# KiCad board PCA20073_Tiny_Board_Panel.kicad_pcb (continued)
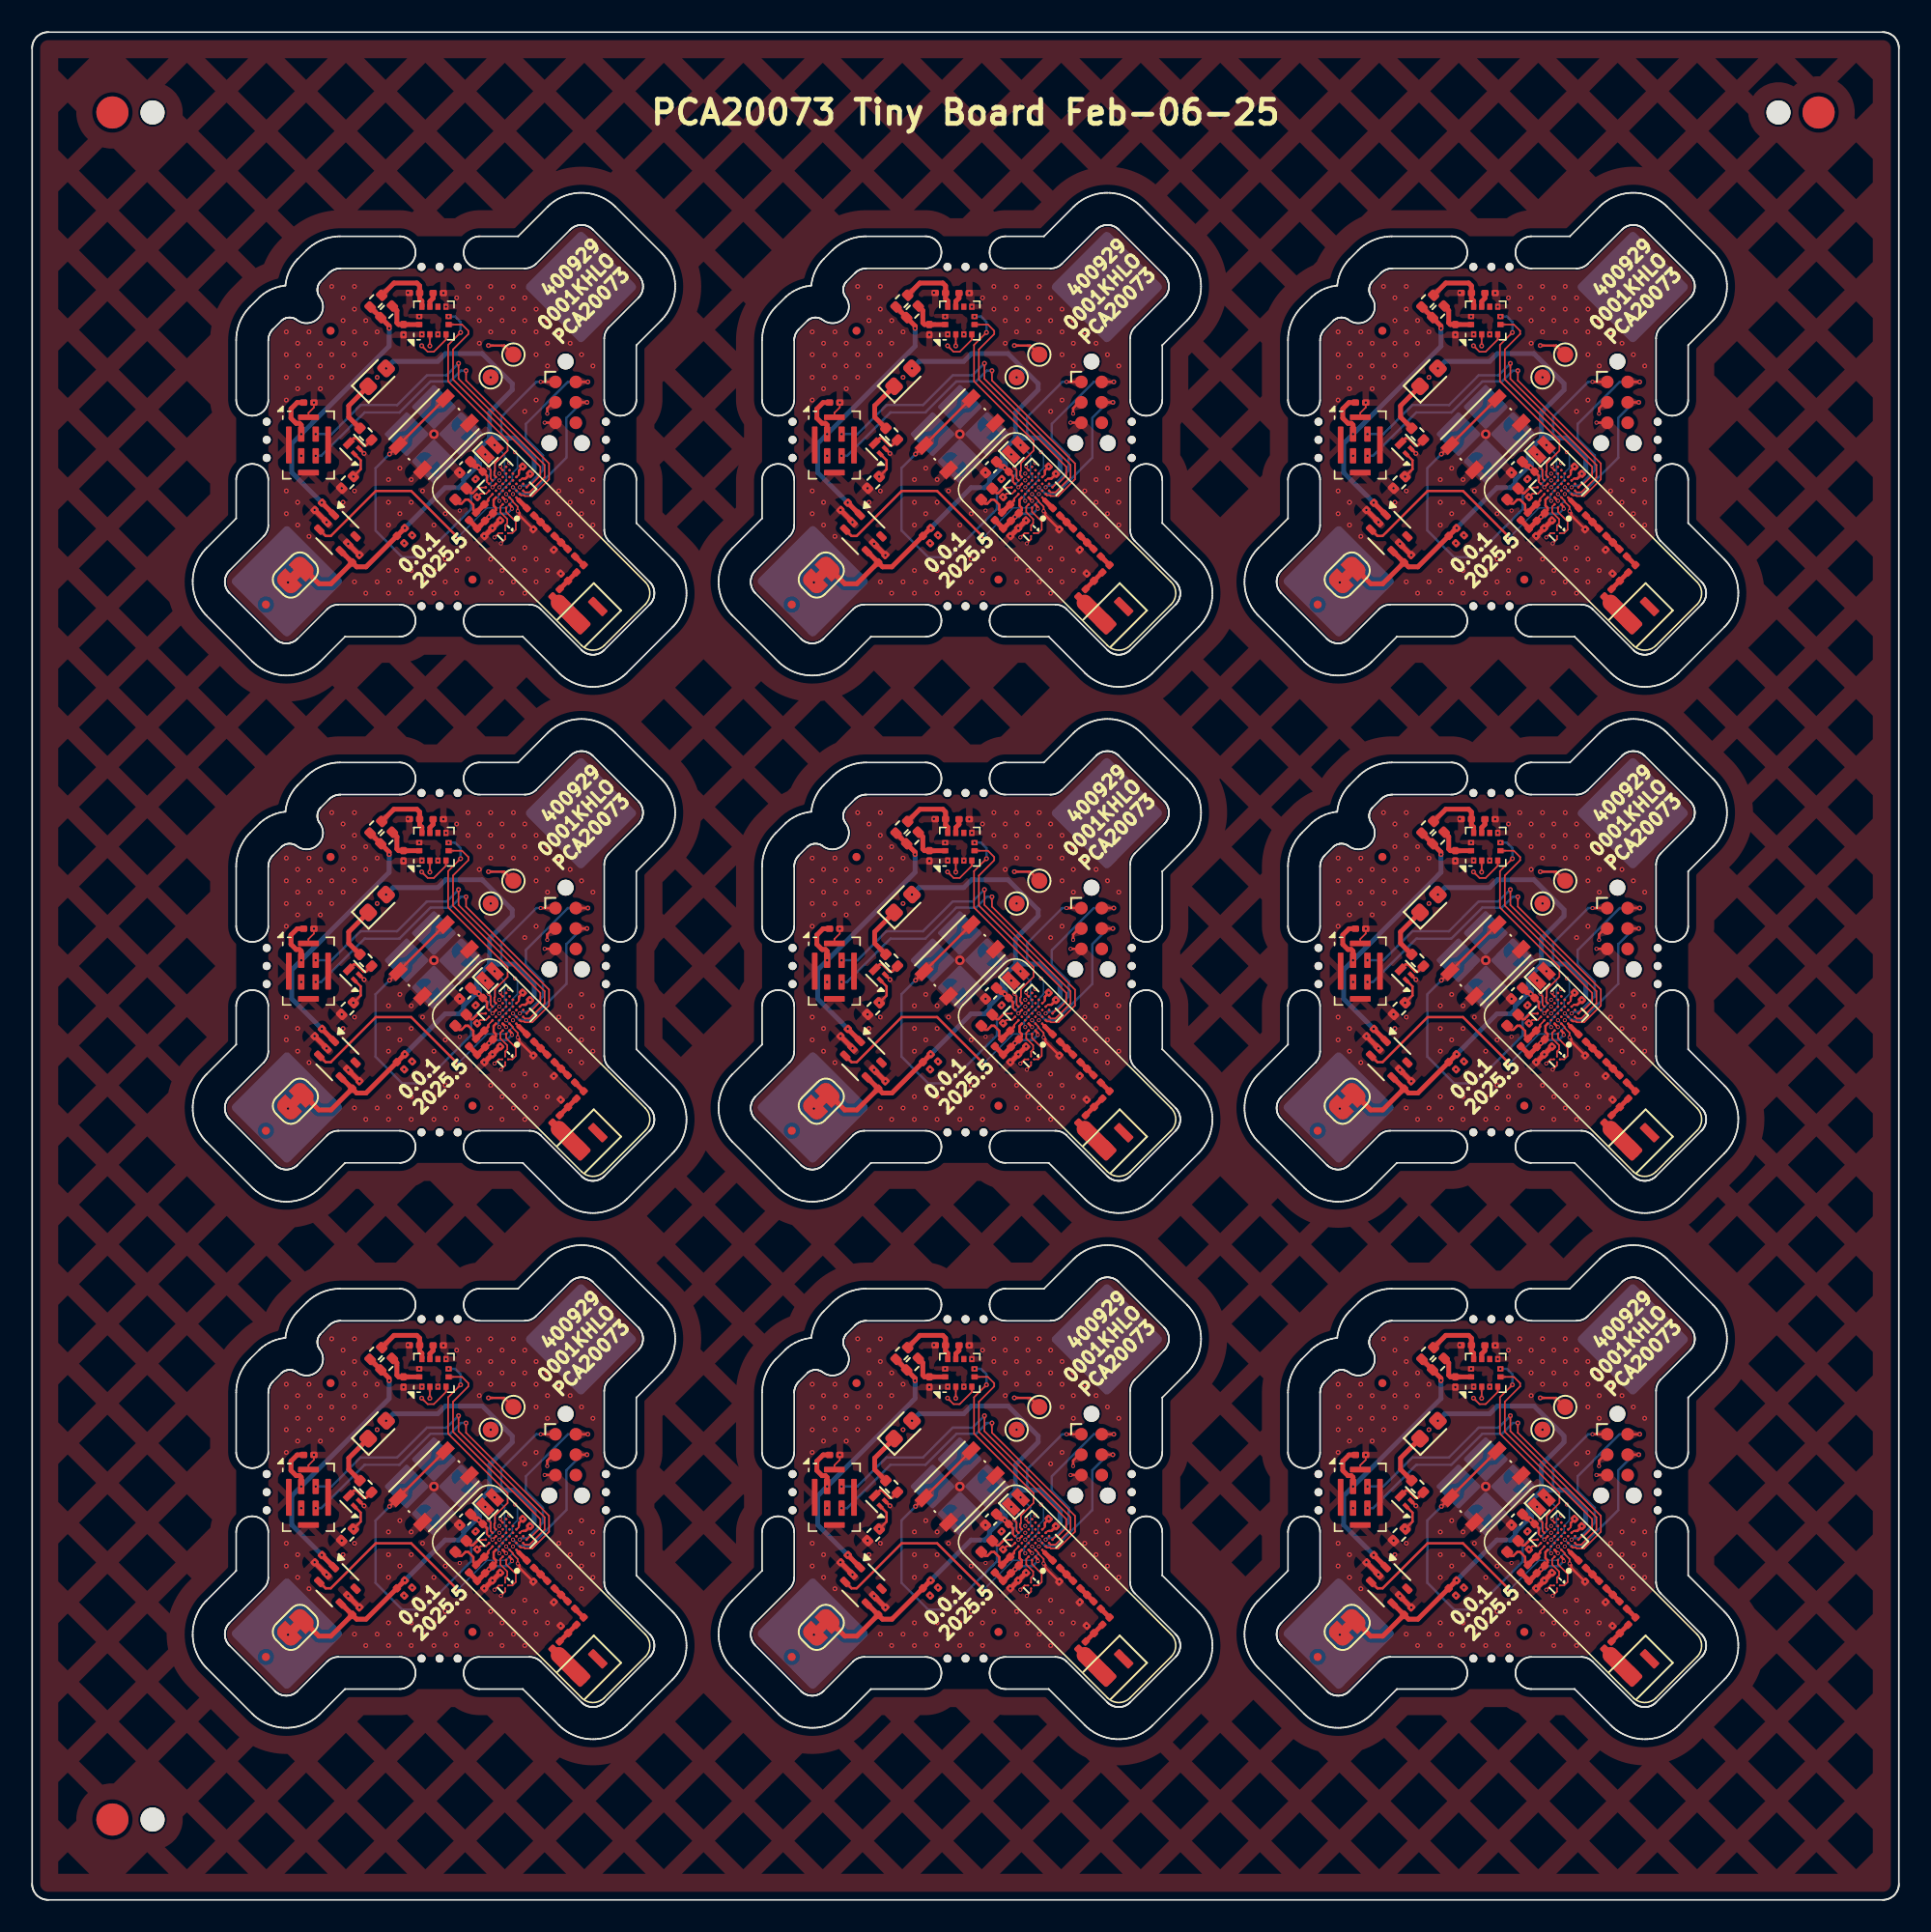
[diagram p0: board, top side]
## Placement (name value [footprint] x y rotation side) (continued)
6D1  LB Q39E  [LED_0603_1608Metric]  21.49 29.26 45 top
6FB1  100R  [C_0201_0603Metric]  27.42 20.61 45 top
6FID1  Fiducial  [Fiducial_0.5mm_Mask1mm]  18.59 32.16 45 top
6FID2  Fiducial  [Fiducial_0.5mm_Mask1mm]  14.56 15.12 45 top
6FID3  Fiducial  [Fiducial_0.5mm_Mask1mm]  27.42 16.68 45 top
6J1  Conn_ARM_SWD_TagConnect_TC2030-NL  [Tag-Connect_TC2030-IDC-NL_2x03_P1.27mm_Vertical]  33.22 27.71 270 top  (not fitted)
6JP1  Jumper_2_Small_Bridged  [SolderJumper-2_P1.3mm_Bridged_RoundedPad1.0x1.5mm]  16.39 16.96 45 top  (not fitted)
6JP2  Jumper_2_Small_Bridged  [R_0402_1005Metric]  22.07 33.34 225 top
6JP3  Jumper_2_Small_Bridged  [R_0402_1005Metric]  21.41 34.01 225 top
6L1  4.7uH  [L_0402_1005Metric]  26.7 22 45 top
6L2  3.6nH  [L_0201_0603Metric]  31.03 20.89 315 top
6L3  4.7nH  [L_0201_0603Metric]  32.3 19.62 315 top
6L4  2nH  [L_0201_0603Metric]  33.58 18.35 315 top
6L6  4.7nH  [L_0201_0603Metric]  34.12 17.35 225 top
6L7  10nH  [L_0201_0603Metric]  32.63 15.86 225 top
6L18  4.7nH  [L_0201_0603Metric]  33.15 16.83 135 top
6MK1  MP34DT05-A  [ST_HCLGA-4_3x4mm_P1.35mm]  17.21 25.05 0 top
6Q1  Q_NMOS_GSD  [Diodes_DFN1006-3]  19.96 24.91 135 top
6R1  1kR  [R_0402_1005Metric]  20.78 25.73 315 top
6R2  10kR  [R_0201_0603Metric]  22.94 19.17 315 top
6R3  10kR  [R_0201_0603Metric]  23.44 19.66 315 top
6R4  1MR  [R_0402_1005Metric]  19.64 22.72 225 top
6SW1  SW_Push  [SW_Push_1P1T_NO_Vertical_Wuerth_434133025816]  25.02 25.73 45 top
6TP1  TestPoint  [TestPoint_Pad_D1.0mm]  28.56 29.26 45 top  (not fitted)
6TP2  TestPoint  [TestPoint_Pad_D1.0mm]  29.97 30.68 45 top  (not fitted)
6U1  nRF54L15-CAXX  [BGA-47_7x7_2.451x2.245mm]  29.58 22.38 135 top
6U2  SiP32432DR3  [SOT-363_SC-70-6]  19.01 19.58 315 top
6U3  ADXL366  [Analog_LGA-12_2.20x2.30mm_P0.5mm]  25.02 32.8 90 top
6Y1  32.768kHz  [Crystal_SMD_1210-2Pin_1.2x1.0mm]  28.51 24.76 45 top
6Y2  SiT11100  [Oscillator_SMD_SiTime_SiT11100-4Pin_0.46x0.46mm]  29.46 19.57 135 top
7AE1  Antenna_Chip  [Ignion_NN02-101]  67.37 14.4 225 top
7BT1  CR2032  [BatteryHolder_Multicomp_BC-2001_1x2032]  57.77 25.73 225 bottom
7C1  2.2uF  [C_0201_0603Metric]  60.69 21.58 135 top
7C2  2.2uF  [C_0201_0603Metric]  60.68 19.61 315 top
7C3  100nF  [C_0201_0603Metric]  52.91 17.97 45 top
7C4  100nF  [C_0201_0603Metric]  50.56 21.24 225 top
7C5  3.9pF  [C_0201_0603Metric]  61.68 20.59 315 top
7C6  1.2pF  [C_0201_0603Metric]  64.19 20.03 225 top
7C8  100nF  [C_0201_0603Metric]  63.53 23.49 135 top
7C9  1.2pF  [C_0201_0603Metric]  65.46 18.76 225 top
7C10  10uF  [C_0402_1005Metric]  59.71 23.67 225 top
7C11  100nF  [C_0201_0603Metric]  60.59 23.16 225 top
7C12  10nF  [C_0201_0603Metric]  61.17 20.1 315 top
7C15  0.22uF  [C_0201_0603Metric]  58.04 34.51 0 top
7C16  100nF  [C_0201_0603Metric]  55.87 32.23 270 top
7C17  100nF  [C_0201_0603Metric]  56.56 34.52 180 top
7C20  2.2uF  [C_0201_0603Metric]  49.98 27.69 0 top
7D1  LB Q39E  [LED_0603_1608Metric]  54.23 29.26 45 top
7FB1  100R  [C_0201_0603Metric]  60.17 20.61 45 top
7FID1  Fiducial  [Fiducial_0.5mm_Mask1mm]  51.33 32.16 45 top
7FID2  Fiducial  [Fiducial_0.5mm_Mask1mm]  47.3 15.12 45 top
7FID3  Fiducial  [Fiducial_0.5mm_Mask1mm]  60.17 16.68 45 top
7J1  Conn_ARM_SWD_TagConnect_TC2030-NL  [Tag-Connect_TC2030-IDC-NL_2x03_P1.27mm_Vertical]  65.97 27.71 270 top  (not fitted)
7JP1  Jumper_2_Small_Bridged  [SolderJumper-2_P1.3mm_Bridged_RoundedPad1.0x1.5mm]  49.14 16.96 45 top  (not fitted)
7JP2  Jumper_2_Small_Bridged  [R_0402_1005Metric]  54.82 33.34 225 top
7JP3  Jumper_2_Small_Bridged  [R_0402_1005Metric]  54.16 34.01 225 top
7L1  4.7uH  [L_0402_1005Metric]  59.45 22 45 top
7L2  3.6nH  [L_0201_0603Metric]  63.78 20.89 315 top
7L3  4.7nH  [L_0201_0603Metric]  65.05 19.62 315 top
7L4  2nH  [L_0201_0603Metric]  66.33 18.35 315 top
7L6  4.7nH  [L_0201_0603Metric]  66.87 17.35 225 top
7L7  10nH  [L_0201_0603Metric]  65.38 15.86 225 top
7L18  4.7nH  [L_0201_0603Metric]  65.89 16.83 135 top
7MK1  MP34DT05-A  [ST_HCLGA-4_3x4mm_P1.35mm]  49.96 25.05 0 top
7Q1  Q_NMOS_GSD  [Diodes_DFN1006-3]  52.71 24.91 135 top
7R1  1kR  [R_0402_1005Metric]  53.53 25.73 315 top
7R2  10kR  [R_0201_0603Metric]  55.69 19.17 315 top
7R3  10kR  [R_0201_0603Metric]  56.19 19.66 315 top
7R4  1MR  [R_0402_1005Metric]  52.39 22.72 225 top
7SW1  SW_Push  [SW_Push_1P1T_NO_Vertical_Wuerth_434133025816]  57.77 25.73 45 top
7TP1  TestPoint  [TestPoint_Pad_D1.0mm]  61.31 29.26 45 top  (not fitted)
7TP2  TestPoint  [TestPoint_Pad_D1.0mm]  62.72 30.68 45 top  (not fitted)
7U1  nRF54L15-CAXX  [BGA-47_7x7_2.451x2.245mm]  62.33 22.38 135 top
7U2  SiP32432DR3  [SOT-363_SC-70-6]  51.76 19.58 315 top
7U3  ADXL366  [Analog_LGA-12_2.20x2.30mm_P0.5mm]  57.77 32.8 90 top
7Y1  32.768kHz  [Crystal_SMD_1210-2Pin_1.2x1.0mm]  61.26 24.76 45 top
7Y2  SiT11100  [Oscillator_SMD_SiTime_SiT11100-4Pin_0.46x0.46mm]  62.21 19.57 135 top
8AE1  Antenna_Chip  [Ignion_NN02-101]  100.12 14.4 225 top
8BT1  CR2032  [BatteryHolder_Multicomp_BC-2001_1x2032]  90.52 25.73 225 bottom
8C1  2.2uF  [C_0201_0603Metric]  93.43 21.58 135 top
8C2  2.2uF  [C_0201_0603Metric]  93.43 19.61 315 top
8C3  100nF  [C_0201_0603Metric]  85.66 17.97 45 top
8C4  100nF  [C_0201_0603Metric]  83.31 21.24 225 top
8C5  3.9pF  [C_0201_0603Metric]  94.42 20.59 315 top
8C6  1.2pF  [C_0201_0603Metric]  96.94 20.03 225 top
8C8  100nF  [C_0201_0603Metric]  96.28 23.49 135 top
8C9  1.2pF  [C_0201_0603Metric]  98.21 18.76 225 top
8C10  10uF  [C_0402_1005Metric]  92.46 23.67 225 top
8C11  100nF  [C_0201_0603Metric]  93.34 23.16 225 top
8C12  10nF  [C_0201_0603Metric]  93.92 20.1 315 top
8C15  0.22uF  [C_0201_0603Metric]  90.79 34.51 0 top
8C16  100nF  [C_0201_0603Metric]  88.62 32.23 270 top
8C17  100nF  [C_0201_0603Metric]  89.31 34.52 180 top
8C20  2.2uF  [C_0201_0603Metric]  82.73 27.69 0 top
8D1  LB Q39E  [LED_0603_1608Metric]  86.98 29.26 45 top
8FB1  100R  [C_0201_0603Metric]  92.92 20.61 45 top
8FID1  Fiducial  [Fiducial_0.5mm_Mask1mm]  84.08 32.16 45 top
8FID2  Fiducial  [Fiducial_0.5mm_Mask1mm]  80.05 15.12 45 top
8FID3  Fiducial  [Fiducial_0.5mm_Mask1mm]  92.92 16.68 45 top
8J1  Conn_ARM_SWD_TagConnect_TC2030-NL  [Tag-Connect_TC2030-IDC-NL_2x03_P1.27mm_Vertical]  98.72 27.71 270 top  (not fitted)
8JP1  Jumper_2_Small_Bridged  [SolderJumper-2_P1.3mm_Bridged_RoundedPad1.0x1.5mm]  81.89 16.96 45 top  (not fitted)
8JP2  Jumper_2_Small_Bridged  [R_0402_1005Metric]  87.57 33.34 225 top
8JP3  Jumper_2_Small_Bridged  [R_0402_1005Metric]  86.9 34.01 225 top
8L1  4.7uH  [L_0402_1005Metric]  92.2 22 45 top
8L2  3.6nH  [L_0201_0603Metric]  96.53 20.89 315 top
8L3  4.7nH  [L_0201_0603Metric]  97.8 19.62 315 top
8L4  2nH  [L_0201_0603Metric]  99.07 18.35 315 top
8L6  4.7nH  [L_0201_0603Metric]  99.62 17.35 225 top
8L7  10nH  [L_0201_0603Metric]  98.13 15.86 225 top
8L18  4.7nH  [L_0201_0603Metric]  98.64 16.83 135 top
8MK1  MP34DT05-A  [ST_HCLGA-4_3x4mm_P1.35mm]  82.71 25.05 0 top
8Q1  Q_NMOS_GSD  [Diodes_DFN1006-3]  85.46 24.91 135 top
8R1  1kR  [R_0402_1005Metric]  86.28 25.73 315 top
8R2  10kR  [R_0201_0603Metric]  88.44 19.17 315 top
8R3  10kR  [R_0201_0603Metric]  88.93 19.66 315 top
8R4  1MR  [R_0402_1005Metric]  85.14 22.72 225 top
8SW1  SW_Push  [SW_Push_1P1T_NO_Vertical_Wuerth_434133025816]  90.52 25.73 45 top
8TP1  TestPoint  [TestPoint_Pad_D1.0mm]  94.05 29.26 45 top  (not fitted)
8TP2  TestPoint  [TestPoint_Pad_D1.0mm]  95.47 30.68 45 top  (not fitted)
8U1  nRF54L15-CAXX  [BGA-47_7x7_2.451x2.245mm]  95.08 22.38 135 top
8U2  SiP32432DR3  [SOT-363_SC-70-6]  84.51 19.58 315 top
8U3  ADXL366  [Analog_LGA-12_2.20x2.30mm_P0.5mm]  90.52 32.8 90 top
8Y1  32.768kHz  [Crystal_SMD_1210-2Pin_1.2x1.0mm]  94.01 24.76 45 top
8Y2  SiT11100  [Oscillator_SMD_SiTime_SiT11100-4Pin_0.46x0.46mm]  94.95 19.57 135 top
KiKit_FID_B_1  -  [Fiducial]  5 111.25 180 bottom
KiKit_FID_B_2  -  [Fiducial]  111.25 111.25 180 bottom
KiKit_FID_B_3  -  [Fiducial]  5 5 180 bottom
KiKit_FID_T_1  -  [Fiducial]  5 111.25 0 top
KiKit_FID_T_2  -  [Fiducial]  111.25 111.25 0 top
KiKit_FID_T_3  -  [Fiducial]  5 5 0 top
KiKit_MB_1_2  -  [NPTH]  14.61 89.75 0 top
KiKit_MB_1_3  -  [NPTH]  14.61 90.87 0 top
KiKit_MB_1_4  -  [NPTH]  14.61 92 0 top
KiKit_MB_2_2  -  [NPTH]  35.73 92 0 top
KiKit_MB_2_3  -  [NPTH]  35.73 90.87 0 top
KiKit_MB_2_4  -  [NPTH]  35.73 89.75 0 top
KiKit_MB_3_2  -  [NPTH]  24.25 101.64 0 top
KiKit_MB_3_3  -  [NPTH]  25.37 101.64 0 top
KiKit_MB_3_4  -  [NPTH]  26.5 101.64 0 top
KiKit_MB_4_2  -  [NPTH]  26.5 80.52 0 top
KiKit_MB_4_3  -  [NPTH]  25.37 80.52 0 top
KiKit_MB_4_4  -  [NPTH]  24.25 80.52 0 top
KiKit_MB_5_2  -  [NPTH]  47.36 89.75 0 top
KiKit_MB_5_3  -  [NPTH]  47.36 90.87 0 top
KiKit_MB_5_4  -  [NPTH]  47.36 92 0 top
KiKit_MB_6_2  -  [NPTH]  68.48 92 0 top
KiKit_MB_6_3  -  [NPTH]  68.48 90.87 0 top
KiKit_MB_6_4  -  [NPTH]  68.48 89.75 0 top
KiKit_MB_7_2  -  [NPTH]  57 101.64 0 top
KiKit_MB_7_3  -  [NPTH]  58.12 101.64 0 top
KiKit_MB_7_4  -  [NPTH]  59.25 101.64 0 top
KiKit_MB_8_2  -  [NPTH]  59.25 80.52 0 top
KiKit_MB_8_3  -  [NPTH]  58.12 80.52 0 top
KiKit_MB_8_4  -  [NPTH]  57 80.52 0 top
KiKit_MB_9_2  -  [NPTH]  80.1 89.75 0 top
KiKit_MB_9_3  -  [NPTH]  80.1 90.87 0 top
KiKit_MB_9_4  -  [NPTH]  80.1 92 0 top
KiKit_MB_10_2  -  [NPTH]  101.22 92 0 top
KiKit_MB_10_3  -  [NPTH]  101.22 90.87 0 top
KiKit_MB_10_4  -  [NPTH]  101.22 89.75 0 top
KiKit_MB_11_2  -  [NPTH]  89.75 101.64 0 top
KiKit_MB_11_3  -  [NPTH]  90.87 101.64 0 top
KiKit_MB_11_4  -  [NPTH]  92 101.64 0 top
KiKit_MB_12_2  -  [NPTH]  92 80.52 0 top
KiKit_MB_12_3  -  [NPTH]  90.87 80.52 0 top
KiKit_MB_12_4  -  [NPTH]  89.75 80.52 0 top
KiKit_MB_13_2  -  [NPTH]  14.61 57 0 top
KiKit_MB_13_3  -  [NPTH]  14.61 58.12 0 top
KiKit_MB_13_4  -  [NPTH]  14.61 59.25 0 top
KiKit_MB_14_2  -  [NPTH]  35.73 59.25 0 top
KiKit_MB_14_3  -  [NPTH]  35.73 58.12 0 top
KiKit_MB_14_4  -  [NPTH]  35.73 57 0 top
KiKit_MB_15_2  -  [NPTH]  24.25 68.89 0 top
KiKit_MB_15_3  -  [NPTH]  25.37 68.89 0 top
KiKit_MB_15_4  -  [NPTH]  26.5 68.89 0 top
KiKit_MB_16_2  -  [NPTH]  26.5 47.77 0 top
KiKit_MB_16_3  -  [NPTH]  25.37 47.77 0 top
KiKit_MB_16_4  -  [NPTH]  24.25 47.77 0 top
KiKit_MB_17_2  -  [NPTH]  47.36 57 0 top
KiKit_MB_17_3  -  [NPTH]  47.36 58.12 0 top
KiKit_MB_17_4  -  [NPTH]  47.36 59.25 0 top
KiKit_MB_18_2  -  [NPTH]  68.48 59.25 0 top
KiKit_MB_18_3  -  [NPTH]  68.48 58.12 0 top
KiKit_MB_18_4  -  [NPTH]  68.48 57 0 top
KiKit_MB_19_2  -  [NPTH]  57 68.89 0 top
KiKit_MB_19_3  -  [NPTH]  58.12 68.89 0 top
KiKit_MB_19_4  -  [NPTH]  59.25 68.89 0 top
KiKit_MB_20_2  -  [NPTH]  59.25 47.77 0 top
KiKit_MB_20_3  -  [NPTH]  58.12 47.77 0 top
KiKit_MB_20_4  -  [NPTH]  57 47.77 0 top
KiKit_MB_21_2  -  [NPTH]  80.1 57 0 top
KiKit_MB_21_3  -  [NPTH]  80.1 58.12 0 top
KiKit_MB_21_4  -  [NPTH]  80.1 59.25 0 top
KiKit_MB_22_2  -  [NPTH]  101.22 59.25 0 top
KiKit_MB_22_3  -  [NPTH]  101.22 58.12 0 top
KiKit_MB_22_4  -  [NPTH]  101.22 57 0 top
KiKit_MB_23_2  -  [NPTH]  89.75 68.89 0 top
KiKit_MB_23_3  -  [NPTH]  90.87 68.89 0 top
KiKit_MB_23_4  -  [NPTH]  92 68.89 0 top
KiKit_MB_24_2  -  [NPTH]  92 47.77 0 top
KiKit_MB_24_3  -  [NPTH]  90.87 47.77 0 top
KiKit_MB_24_4  -  [NPTH]  89.75 47.77 0 top
KiKit_MB_25_2  -  [NPTH]  14.61 24.25 0 top
KiKit_MB_25_3  -  [NPTH]  14.61 25.37 0 top
KiKit_MB_25_4  -  [NPTH]  14.61 26.5 0 top
KiKit_MB_26_2  -  [NPTH]  35.73 26.5 0 top
KiKit_MB_26_3  -  [NPTH]  35.73 25.37 0 top
KiKit_MB_26_4  -  [NPTH]  35.73 24.25 0 top
KiKit_MB_27_2  -  [NPTH]  24.25 36.14 0 top
KiKit_MB_27_3  -  [NPTH]  25.37 36.14 0 top
KiKit_MB_27_4  -  [NPTH]  26.5 36.14 0 top
KiKit_MB_28_2  -  [NPTH]  26.5 15.02 0 top
KiKit_MB_28_3  -  [NPTH]  25.37 15.02 0 top
KiKit_MB_28_4  -  [NPTH]  24.25 15.02 0 top
KiKit_MB_29_2  -  [NPTH]  47.36 24.25 0 top
KiKit_MB_29_3  -  [NPTH]  47.36 25.37 0 top
KiKit_MB_29_4  -  [NPTH]  47.36 26.5 0 top
KiKit_MB_30_2  -  [NPTH]  68.48 26.5 0 top
KiKit_MB_30_3  -  [NPTH]  68.48 25.37 0 top
KiKit_MB_30_4  -  [NPTH]  68.48 24.25 0 top
KiKit_MB_31_2  -  [NPTH]  57 36.14 0 top
KiKit_MB_31_3  -  [NPTH]  58.12 36.14 0 top
KiKit_MB_31_4  -  [NPTH]  59.25 36.14 0 top
KiKit_MB_32_2  -  [NPTH]  59.25 15.02 0 top
KiKit_MB_32_3  -  [NPTH]  58.12 15.02 0 top
KiKit_MB_32_4  -  [NPTH]  57 15.02 0 top
KiKit_MB_33_2  -  [NPTH]  80.1 24.25 0 top
KiKit_MB_33_3  -  [NPTH]  80.1 25.37 0 top
KiKit_MB_33_4  -  [NPTH]  80.1 26.5 0 top
KiKit_MB_34_2  -  [NPTH]  101.22 26.5 0 top
KiKit_MB_34_3  -  [NPTH]  101.22 25.37 0 top
KiKit_MB_34_4  -  [NPTH]  101.22 24.25 0 top
KiKit_MB_35_2  -  [NPTH]  89.75 36.14 0 top
KiKit_MB_35_3  -  [NPTH]  90.87 36.14 0 top
KiKit_MB_35_4  -  [NPTH]  92 36.14 0 top
KiKit_MB_36_2  -  [NPTH]  92 15.02 0 top
KiKit_MB_36_3  -  [NPTH]  90.87 15.02 0 top
KiKit_MB_36_4  -  [NPTH]  89.75 15.02 0 top
KiKit_TO_1  -  [NPTH#2]  7.5 111.25 0 top
KiKit_TO_2  -  [NPTH#2]  108.75 111.25 0 top
KiKit_TO_3  -  [NPTH#2]  7.5 5 0 top

## Library data of the parts
0AE1 1AE1 2AE1 3AE1 4AE1 5AE1 6AE1 7AE1 8AE1 = -: Description: Ceramic chip antenna with pin for PCB trace; Consigned: Y; PartId: 100700079; Ship from Helmut: Y/optional
0BT1 1BT1 2BT1 3BT1 4BT1 5BT1 6BT1 7BT1 8BT1 = -: Description: Single-cell battery; LCSC: C964829; PartId: 100500047
0C1 0C2 0C20 1C1 1C2 1C20 2C1 2C2 2C20 3C1 3C2 3C20 4C1 4C2 4C20 5C1 5C2 5C20 6C1 6C2 6C20 7C1 7C2 7C20 8C1 8C2 8C20 = -: Description: Unpolarized capacitor, small symbol; LCSC: C23630; PartId: 100200660
0C3 0C4 0C8 0C11 0C16 0C17 1C3 1C4 1C8 1C11 1C16 1C17 2C3 2C4 2C8 2C11 2C16 2C17 3C3 3C4 3C8 3C11 3C16 3C17 4C3 4C4 4C8 4C11 4C16 4C17 5C3 5C4 5C8 5C11 5C16 5C17 6C3 6C4 6C8 6C11 6C16 6C17 7C3 7C4 7C8 7C11 7C16 7C17 8C3 8C4 8C8 8C11 8C16 8C17 = -: Description: Unpolarized capacitor, small symbol; LCSC: C76939; PartId: 100200469
0C5 1C5 2C5 3C5 4C5 5C5 6C5 7C5 8C5 = -: Description: Unpolarized capacitor, small symbol; LCSC: C22374845; PartId: 100200424
0C6 0C9 1C6 1C9 2C6 2C9 3C6 3C9 4C6 4C9 5C6 5C9 6C6 6C9 7C6 7C9 8C6 8C9 = -: Description: Unpolarized capacitor, small symbol; LCSC: C85895; PartId: 100200086
0C10 1C10 2C10 3C10 4C10 5C10 6C10 7C10 8C10 = -: Description: Unpolarized capacitor, small symbol; LCSC: C15525; PartId: 100200383
0C12 1C12 2C12 3C12 4C12 5C12 6C12 7C12 8C12 = -: Description: Unpolarized capacitor, small symbol; LCSC: C76941; PartId: 100200491
0C15 1C15 2C15 3C15 4C15 5C15 6C15 7C15 8C15 = -: Description: Unpolarized capacitor, small symbol; LCSC: C701263; PartId: 100200487
0D1 1D1 2D1 3D1 4D1 5D1 6D1 7D1 8D1 = -: Description: Light emitting diode, small symbol; LCSC: C84273; PartId: 101400142
0FB1 1FB1 2FB1 3FB1 4FB1 5FB1 6FB1 7FB1 8FB1 = -: Description: Ferrite bead, small symbol; LCSC: C83991; PartId: 100300419
0FID1-0FID3 1FID1-1FID3 2FID1-2FID3 3FID1-3FID3 4FID1-4FID3 5FID1-5FID3 6FID1-6FID3 7FID1-7FID3 8FID1-8FID3 = -: Description: Fiducial Marker
0J1 1J1 2J1 3J1 4J1 5J1 6J1 7J1 8J1 = -: Datasheet: https://www.tag-connect.com/wp-content/uploads/bsk-pdf-manager/TC2030-CTX_1.pdf; Description: Tag-Connect ARM Cortex SWD JTAG connector, 6 pin, no legs
0JP1 1JP1 2JP1 3JP1 4JP1 5JP1 6JP1 7JP1 8JP1 = -: Description: Jumper, 2-pole, small symbol, bridged
0JP2 0JP3 1JP2 1JP3 2JP2 2JP3 3JP2 3JP3 4JP2 4JP3 5JP2 5JP3 6JP2 6JP3 7JP2 7JP3 8JP2 8JP3 = -: Description: Jumper, 2-pole, small symbol, bridged; LCSC: C17168; PartId: 100100109
0L1 1L1 2L1 3L1 4L1 5L1 6L1 7L1 8L1 = -: Description: Inductor, small symbol; PartId: 100300441
0L2 1L2 2L2 3L2 4L2 5L2 6L2 7L2 8L2 = -: Description: Inductor, small symbol; LCSC: C275212; PartId: 100300223
0L3 0L6 0L18 1L3 1L6 1L18 2L3 2L6 2L18 3L3 3L6 3L18 4L3 4L6 4L18 5L3 5L6 5L18 6L3 6L6 6L18 7L3 7L6 7L18 8L3 8L6 8L18 = -: Description: Inductor, small symbol; LCSC: C86126; PartId: 100300231
0L4 1L4 2L4 3L4 4L4 5L4 6L4 7L4 8L4 = -: Description: Inductor, small symbol; LCSC: C307709; PartId: 100300016
0L7 1L7 2L7 3L7 4L7 5L7 6L7 7L7 8L7 = -: Description: Inductor, small symbol; LCSC: C162594; PartId: 100300242
0MK1 1MK1 2MK1 3MK1 4MK1 5MK1 6MK1 7MK1 8MK1 = -: Datasheet: https://www.mouser.com/datasheet/2/389/mp34dt05_a-1850143.pdf; Description: Digital MEMS Microphone, LGA-5
0Q1 1Q1 2Q1 3Q1 4Q1 5Q1 6Q1 7Q1 8Q1 = -: Description: N-MOSFET transistor, gate/source/drain; LCSC: C7527987; PartId: 101300187
0R1 1R1 2R1 3R1 4R1 5R1 6R1 7R1 8R1 = -: Description: Resistor, small US symbol; LCSC: C106235; PartId: 100100171
0R2 0R3 1R2 1R3 2R2 2R3 3R2 3R3 4R2 4R3 5R2 5R3 6R2 6R3 7R2 7R3 8R2 8R3 = -: Description: Resistor, small US symbol; LCSC: C106225; PartId: 100100065
0R4 1R4 2R4 3R4 4R4 5R4 6R4 7R4 8R4 = -: Description: Resistor, small US symbol; LCSC: C138033; PartId: 100100265
0SW1 1SW1 2SW1 3SW1 4SW1 5SW1 6SW1 7SW1 8SW1 = -: Description: Push button switch, generic, two pins; LCSC: C127488; PartId: 101500104
0TP1 0TP2 1TP1 1TP2 2TP1 2TP2 3TP1 3TP2 4TP1 4TP2 5TP1 5TP2 6TP1 6TP2 7TP1 7TP2 8TP1 8TP2 = -: Description: test point
0U1 1U1 2U1 3U1 4U1 5U1 6U1 7U1 8U1 = -: Description: nRF54L Dual Core Multiprotocol BLE SoC; Consigned: Y; PartId: 102000283
0U2 1U2 2U2 3U2 4U2 5U2 6U2 7U2 8U2 = -: Datasheet: http://www.vishay.com.hk/docs/66597/sip32431.pdf; Description: 10 pA, Ultra Low Leakage and Quiescent Current, Load Switch with Reverse Blocking, Low Enable, SC-70-6; LCSC: C141606
0U3 1U3 2U3 3U3 4U3 5U3 6U3 7U3 8U3 = -: Datasheet: https://www.analog.com/media/en/technical-documentation/data-sheets/ADXL363.pdf; Description: Micropower 3-Axis Accelerometer, 2/4/8g range, SPI, LGA-12; Consigned: Y; Ship from Helmut: Y
0Y1 1Y1 2Y1 3Y1 4Y1 5Y1 6Y1 7Y1 8Y1 = -: Description: Two pin crystal, small symbol; PartId: ECS-.327-9-1210-TR
0Y2 1Y2 2Y2 3Y2 4Y2 5Y2 6Y2 7Y2 8Y2 = -: Description: Four pin crystal, GND on pins 2 and 3, small symbol; Consigned: Y; Ship from Helmut: Y

## Footprints (pads in the part's own frame, mm; a bottom-side part is the same pattern mirrored in y, then rotated)
Analog_LGA-12_2.20x2.30mm_P0.5mm
  rrect 0.39x0.33 smd: 1(-0.86,0.75) 2(-0.86,0.25) 3(-0.86,-0.25) 4(-0.86,-0.75) 7(0.86,-0.75) 8(0.86,-0.25) 9(0.86,0.25) 10(0.86,0.75)
  rrect 0.33x0.39 smd: 5(-0.25,-0.914) 6(0.25,-0.914) 11(0.25,0.914) 12(-0.25,0.914)
BatteryHolder_Multicomp_BC-2001_1x2032
  rrect 5x5 smd: 1(-12.95,0) 1(12.95,0)
  rrect 2x2 smd: 2(-1.2,-1.2) 2(-1.2,1.2) 2(1.2,-1.2) 2(1.2,1.2)
BGA-47_7x7_2.451x2.245mm
  round 0.17 smd: A1(-0.828,0.913) A2(-0.528,0.913) A3(-0.228,0.913) A4(0.072,0.913) A5(0.372,0.913) A6(0.672,0.913) A7(0.972,0.913) B1(-0.828,0.613) B3(-0.228,0.613) B4(0.072,0.613) B5(0.372,0.613) B6(0.672,0.613) B7(0.972,0.613) C2(-0.528,0.313) C3(-0.228,0.313) C4(0.072,0.313) C5(0.372,0.313) C6(0.672,0.313) C7(0.972,0.313) D1(-0.828,0.013) D2(-0.528,0.013) D3(-0.228,0.013) D4(0.072,0.013) D5(0.372,0.013) D6(0.672,0.013) D7(0.972,0.013) E1(-0.828,-0.287) E2(-0.528,-0.287) E3(-0.228,-0.287) E4(0.072,-0.287) E5(0.372,-0.287) E6(0.672,-0.287) E7(0.972,-0.287) F1(-0.828,-0.587) F2(-0.528,-0.587) F3(-0.228,-0.587) F4(0.072,-0.587) F5(0.372,-0.587) F6(0.672,-0.587) F7(0.972,-0.587) G1(-0.828,-0.887) G2(-0.528,-0.887) G3(-0.228,-0.887) G4(0.072,-0.887) G5(0.372,-0.887) G6(0.672,-0.887) G7(0.972,-0.887)
C_0201_0603Metric
  rrect 0.318x0.36 smd: (-0.345,0) (0.345,0)
  rrect 0.46x0.4 smd: 1(-0.32,0) 2(0.32,0)
C_0402_1005Metric
  rrect 0.56x0.62 smd: 1(-0.48,0) 2(0.48,0)
Crystal_SMD_1210-2Pin_1.2x1.0mm
  rect 0.575x1.114 smd: 1(-0.413,0) 2(0.413,0)
Diodes_DFN1006-3
  rect 0.4x0.25 smd: 1(-0.35,0.225) 2(-0.35,-0.225)
  rect 0.4x0.7 smd: 3(0.35,0)
Fiducial
  round 2 smd: (0,0)
Fiducial_0.5mm_Mask1mm
  round 0.5 smd: (0,0)
Ignion_NN02-101
  rrect 0.5x1.3 smd: 1(-0.85,0)
  rrect 1x1 smd: 2(0.7,0)
L_0201_0603Metric
  rrect 0.318x0.36 smd: (-0.345,0) (0.345,0)
  rrect 0.46x0.4 smd: 1(-0.32,0) 2(0.32,0)
L_0402_1005Metric
  rrect 0.59x0.64 smd: 1(-0.485,0) 2(0.485,0)
LED_0603_1608Metric
  rrect 0.875x0.95 smd: 1(-0.788,0) 2(0.788,0)
NPTH
  round 0.5 hole 0.5 unplated: (0,0)
NPTH#2
  round 1.5 hole 1.5 unplated: (0,0)
Oscillator_SMD_SiTime_SiT11100-4Pin_0.46x0.46mm
  round 0.12 smd: 1(-0.125,-0.125) 2(-0.125,0.125) 3(0.125,0.125) 4(0.125,-0.125)
R_0201_0603Metric
  rrect 0.318x0.36 smd: (-0.345,0) (0.345,0)
  rrect 0.46x0.4 smd: 1(-0.32,0) 2(0.32,0)
R_0402_1005Metric
  rrect 0.54x0.64 smd: 1(-0.51,0) 2(0.51,0)
SolderJumper-2_P1.3mm_Bridged_RoundedPad1.0x1.5mm
  custom 1x1.5 smd: 1(-0.65,0) 2(0.65,0)
SOT-363_SC-70-6
  rrect 0.65x0.4 smd: 1(-0.95,0.65) 2(-0.95,0) 3(-0.95,-0.65) 4(0.95,-0.65) 5(0.95,0) 6(0.95,0.65)
ST_HCLGA-4_3x4mm_P1.35mm
  rrect 0.4x0.95 smd: 1(-0.45,0.675) 2(-0.45,-0.675) 3(0.45,-0.675) 4(0.45,0.675)
  rrect 0.35x2.3 smd: 5(-1.225,0) 5(1.225,0)
  rrect 1.3x0.35 smd: 5(0,1.725) 5(0,-1.725)
SW_Push_1P1T_NO_Vertical_Wuerth_434133025816
  rect 1.05x0.65 smd: 1(-2.075,1.075) 1(2.075,1.075) 2(-2.075,-1.075) 2(2.05,-1.075)
Tag-Connect_TC2030-IDC-NL_2x03_P1.27mm_Vertical
  round 0.991 hole 0.991 unplated: (-2.54,0) (2.54,1.016) (2.54,-1.016)
  round 0.787 smd: 1(-1.27,-0.635) 2(-1.27,0.635) 3(0,-0.635) 4(0,0.635) 5(1.27,-0.635) 6(1.27,0.635)
TestPoint_Pad_D1.0mm
  round 1 smd: 1(0,0)

## Nets
Board_0-/VDD_LS: 0C4.1 0C20.1 0JP2.2 0JP3.2 0MK1.1 0U2.1
Board_1-/VDD_LS: 1C4.1 1C20.1 1JP2.2 1JP3.2 1MK1.1 1U2.1
Board_2-/VDD_LS: 2C4.1 2C20.1 2JP2.2 2JP3.2 2MK1.1 2U2.1
Board_3-/VDD_LS: 3C4.1 3C20.1 3JP2.2 3JP3.2 3MK1.1 3U2.1
Board_4-/VDD_LS: 4C4.1 4C20.1 4JP2.2 4JP3.2 4MK1.1 4U2.1
Board_5-/VDD_LS: 5C4.1 5C20.1 5JP2.2 5JP3.2 5MK1.1 5U2.1
Board_6-/VDD_LS: 6C4.1 6C20.1 6JP2.2 6JP3.2 6MK1.1 6U2.1
Board_7-/VDD_LS: 7C4.1 7C20.1 7JP2.2 7JP3.2 7MK1.1 7U2.1
Board_8-/VDD_LS: 8C4.1 8C20.1 8JP2.2 8JP3.2 8MK1.1 8U2.1
Board_0-/BUTTON0: 0SW1.1 0U1.C7
Board_0-/INT1: 0U1.G1 0U3.5
Board_0-/INT2: 0U1.D7 0U3.6
Board_0-/LED: 0Q1.1 0R4.1 0U1.B3
Board_0-/LFCLK1: 0U1.B6 0U1.C6 0Y1.1
Board_0-/LSW: 0U1.C3 0U2.3
Board_0-/PDM_CLK: 0MK1.3 0U1.E1
Board_0-/PDM_DATA: 0MK1.4 0U1.F1
Board_0-/SCL: 0R3.2 0U1.F7 0U3.4
Board_0-/SDA: 0R2.2 0U1.D6 0U3.2
Board_0-/UART_RX: 0TP2.1 0U1.A3
Board_0-/UART_TX: 0TP1.1 0U1.E7
Board_0-GND: 0BT1.2 0C1.2 0C2.2 0C3.2 0C4.2 0C5.2 0C6.2 0C8.2 0C9.2 0C10.2 0C11.2 0C12.2 0C15.2 0C16.2 0C17.2 0C20.2 0J1.5 0L18.2 0MK1.2 0MK1.5 0Q1.2 0R4.2 0SW1.2 0U1.A6 0U1.C2 0U1.G4 0U2.2 0U2.5 0U3.1 0U3.3 0U3.7 0U3.11 0Y2.2 0Y2.3
Board_0-Net-(AE1-PCB_Trace): 0AE1.2 0L7.2
Board_0-Net-(BT1-+): 0BT1.1 0JP1.1
Board_0-Net-(C6-Pad1): 0C6.1 0L2.2 0L3.1
Board_0-Net-(C9-Pad1): 0C9.1 0L3.2 0L4.1
Board_0-Net-(D1-K): 0D1.1 0R1.1
Board_0-Net-(J1-SWCLK): 0J1.4 0U1.E3
Board_0-Net-(J1-SWDIO): 0J1.2 0U1.F2
Board_0-Net-(J1-~{RESET}): 0J1.3 0U1.D2
Board_0-Net-(JP2-A): 0C16.1 0JP2.1 0U3.12
Board_0-Net-(JP3-A): 0C17.1 0JP3.1 0U3.10
Board_0-Net-(L4-Pad2): 0L4.2 0L6.1
Board_0-Net-(L18-Pad1): 0L6.2 0L7.1 0L18.1
Board_0-Net-(Q1-D): 0Q1.3 0R1.2
Board_0-Net-(U1-ANT): 0L2.1 0U1.D1
Board_0-Net-(U1-DCC): 0L1.2 0U1.A7
Board_0-Net-(U1-DECA): 0C2.1 0C5.1 0C12.1 0FB1.1 0U1.A4 0U1.B1
Board_0-Net-(U1-DECD): 0C1.1 0FB1.2 0L1.1 0U1.A5
Board_0-Net-(U1-P1.00): 0U1.C5 0Y1.2
Board_0-Net-(U1-XC1): 0U1.A1 0Y2.1
Board_0-Net-(U1-XC2): 0U1.A2 0Y2.4
Board_0-Net-(U3-V_{REG_OUT}): 0C15.1 0U3.9
Board_0-unconnected-(AE1-FEED-Pad1): 0AE1.1
Board_0-unconnected-(J1-SWO-Pad6): 0J1.6
Board_0-unconnected-(U1-P0.02-PadE2): 0U1.E2
Board_0-unconnected-(U1-P0.04-PadD3): 0U1.D3
Board_0-unconnected-(U1-P1.03-PadD5): 0U1.D5
Board_0-unconnected-(U1-P1.05-PadE6): 0U1.E6
Board_0-unconnected-(U1-P1.11-PadC4): 0U1.C4
Board_0-unconnected-(U1-P1.13-PadB4): 0U1.B4
Board_0-unconnected-(U1-P1.14-PadB5): 0U1.B5
Board_0-unconnected-(U1-P2.00-PadG6): 0U1.G6
Board_0-unconnected-(U1-P2.01-PadG7): 0U1.G7
Board_0-unconnected-(U1-P2.02-PadF6): 0U1.F6
Board_0-unconnected-(U1-P2.03-PadE5): 0U1.E5
Board_0-unconnected-(U1-P2.04-PadF5): 0U1.F5
Board_0-unconnected-(U1-P2.05-PadG5): 0U1.G5
Board_0-unconnected-(U1-P2.06-PadF4): 0U1.F4
Board_0-unconnected-(U1-P2.07-PadE4): 0U1.E4
Board_0-unconnected-(U1-P2.08-PadD4): 0U1.D4
Board_0-unconnected-(U1-P2.09-PadF3): 0U1.F3
Board_0-unconnected-(U1-P2.10-PadG2): 0U1.G2
Board_0-unconnected-(U2-NC-Pad6): 0U2.6
Board_0-unconnected-(U3-ADC_IN-Pad8): 0U3.8
Board_0-VDD: 0C3.1 0C8.1 0C10.1 0C11.1 0D1.2 0J1.1 0JP1.2 0R2.1 0R3.1 0U1.B7 0U1.G3 0U2.4
Board_1-/BUTTON0: 1SW1.1 1U1.C7
Board_1-/INT1: 1U1.G1 1U3.5
Board_1-/INT2: 1U1.D7 1U3.6
Board_1-/LED: 1Q1.1 1R4.1 1U1.B3
Board_1-/LFCLK1: 1U1.B6 1U1.C6 1Y1.1
Board_1-/LSW: 1U1.C3 1U2.3
Board_1-/PDM_CLK: 1MK1.3 1U1.E1
Board_1-/PDM_DATA: 1MK1.4 1U1.F1
Board_1-/SCL: 1R3.2 1U1.F7 1U3.4
Board_1-/SDA: 1R2.2 1U1.D6 1U3.2
Board_1-/UART_RX: 1TP2.1 1U1.A3
Board_1-/UART_TX: 1TP1.1 1U1.E7
Board_1-GND: 1BT1.2 1C1.2 1C2.2 1C3.2 1C4.2 1C5.2 1C6.2 1C8.2 1C9.2 1C10.2 1C11.2 1C12.2 1C15.2 1C16.2 1C17.2 1C20.2 1J1.5 1L18.2 1MK1.2 1MK1.5 1Q1.2 1R4.2 1SW1.2 1U1.A6 1U1.C2 1U1.G4 1U2.2 1U2.5 1U3.1 1U3.3 1U3.7 1U3.11 1Y2.2 1Y2.3
Board_1-Net-(AE1-PCB_Trace): 1AE1.2 1L7.2
Board_1-Net-(BT1-+): 1BT1.1 1JP1.1
Board_1-Net-(C6-Pad1): 1C6.1 1L2.2 1L3.1
Board_1-Net-(C9-Pad1): 1C9.1 1L3.2 1L4.1
Board_1-Net-(D1-K): 1D1.1 1R1.1
Board_1-Net-(J1-SWCLK): 1J1.4 1U1.E3
Board_1-Net-(J1-SWDIO): 1J1.2 1U1.F2
Board_1-Net-(J1-~{RESET}): 1J1.3 1U1.D2
Board_1-Net-(JP2-A): 1C16.1 1JP2.1 1U3.12
Board_1-Net-(JP3-A): 1C17.1 1JP3.1 1U3.10
Board_1-Net-(L4-Pad2): 1L4.2 1L6.1
Board_1-Net-(L18-Pad1): 1L6.2 1L7.1 1L18.1
Board_1-Net-(Q1-D): 1Q1.3 1R1.2
Board_1-Net-(U1-ANT): 1L2.1 1U1.D1
Board_1-Net-(U1-DCC): 1L1.2 1U1.A7
Board_1-Net-(U1-DECA): 1C2.1 1C5.1 1C12.1 1FB1.1 1U1.A4 1U1.B1
Board_1-Net-(U1-DECD): 1C1.1 1FB1.2 1L1.1 1U1.A5
Board_1-Net-(U1-P1.00): 1U1.C5 1Y1.2
Board_1-Net-(U1-XC1): 1U1.A1 1Y2.1
Board_1-Net-(U1-XC2): 1U1.A2 1Y2.4
Board_1-Net-(U3-V_{REG_OUT}): 1C15.1 1U3.9
Board_1-unconnected-(AE1-FEED-Pad1): 1AE1.1
Board_1-unconnected-(J1-SWO-Pad6): 1J1.6
Board_1-unconnected-(U1-P0.02-PadE2): 1U1.E2
Board_1-unconnected-(U1-P0.04-PadD3): 1U1.D3
Board_1-unconnected-(U1-P1.03-PadD5): 1U1.D5
Board_1-unconnected-(U1-P1.05-PadE6): 1U1.E6
Board_1-unconnected-(U1-P1.11-PadC4): 1U1.C4
Board_1-unconnected-(U1-P1.13-PadB4): 1U1.B4
Board_1-unconnected-(U1-P1.14-PadB5): 1U1.B5
Board_1-unconnected-(U1-P2.00-PadG6): 1U1.G6
Board_1-unconnected-(U1-P2.01-PadG7): 1U1.G7
Board_1-unconnected-(U1-P2.02-PadF6): 1U1.F6
Board_1-unconnected-(U1-P2.03-PadE5): 1U1.E5
Board_1-unconnected-(U1-P2.04-PadF5): 1U1.F5
Board_1-unconnected-(U1-P2.05-PadG5): 1U1.G5
Board_1-unconnected-(U1-P2.06-PadF4): 1U1.F4
Board_1-unconnected-(U1-P2.07-PadE4): 1U1.E4
Board_1-unconnected-(U1-P2.08-PadD4): 1U1.D4
Board_1-unconnected-(U1-P2.09-PadF3): 1U1.F3
Board_1-unconnected-(U1-P2.10-PadG2): 1U1.G2
Board_1-unconnected-(U2-NC-Pad6): 1U2.6
Board_1-unconnected-(U3-ADC_IN-Pad8): 1U3.8
Board_1-VDD: 1C3.1 1C8.1 1C10.1 1C11.1 1D1.2 1J1.1 1JP1.2 1R2.1 1R3.1 1U1.B7 1U1.G3 1U2.4
Board_2-/BUTTON0: 2SW1.1 2U1.C7
Board_2-/INT1: 2U1.G1 2U3.5
Board_2-/INT2: 2U1.D7 2U3.6
Board_2-/LED: 2Q1.1 2R4.1 2U1.B3
Board_2-/LFCLK1: 2U1.B6 2U1.C6 2Y1.1
Board_2-/LSW: 2U1.C3 2U2.3
Board_2-/PDM_CLK: 2MK1.3 2U1.E1
Board_2-/PDM_DATA: 2MK1.4 2U1.F1
Board_2-/SCL: 2R3.2 2U1.F7 2U3.4
Board_2-/SDA: 2R2.2 2U1.D6 2U3.2
Board_2-/UART_RX: 2TP2.1 2U1.A3
Board_2-/UART_TX: 2TP1.1 2U1.E7
Board_2-GND: 2BT1.2 2C1.2 2C2.2 2C3.2 2C4.2 2C5.2 2C6.2 2C8.2 2C9.2 2C10.2 2C11.2 2C12.2 2C15.2 2C16.2 2C17.2 2C20.2 2J1.5 2L18.2 2MK1.2 2MK1.5 2Q1.2 2R4.2 2SW1.2 2U1.A6 2U1.C2 2U1.G4 2U2.2 2U2.5 2U3.1 2U3.3 2U3.7 2U3.11 2Y2.2 2Y2.3
Board_2-Net-(AE1-PCB_Trace): 2AE1.2 2L7.2
Board_2-Net-(BT1-+): 2BT1.1 2JP1.1
Board_2-Net-(C6-Pad1): 2C6.1 2L2.2 2L3.1
Board_2-Net-(C9-Pad1): 2C9.1 2L3.2 2L4.1
Board_2-Net-(D1-K): 2D1.1 2R1.1
Board_2-Net-(J1-SWCLK): 2J1.4 2U1.E3
Board_2-Net-(J1-SWDIO): 2J1.2 2U1.F2
Board_2-Net-(J1-~{RESET}): 2J1.3 2U1.D2
Board_2-Net-(JP2-A): 2C16.1 2JP2.1 2U3.12
Board_2-Net-(JP3-A): 2C17.1 2JP3.1 2U3.10
Board_2-Net-(L4-Pad2): 2L4.2 2L6.1
Board_2-Net-(L18-Pad1): 2L6.2 2L7.1 2L18.1
Board_2-Net-(Q1-D): 2Q1.3 2R1.2
Board_2-Net-(U1-ANT): 2L2.1 2U1.D1
Board_2-Net-(U1-DCC): 2L1.2 2U1.A7
Board_2-Net-(U1-DECA): 2C2.1 2C5.1 2C12.1 2FB1.1 2U1.A4 2U1.B1
Board_2-Net-(U1-DECD): 2C1.1 2FB1.2 2L1.1 2U1.A5
Board_2-Net-(U1-P1.00): 2U1.C5 2Y1.2
Board_2-Net-(U1-XC1): 2U1.A1 2Y2.1
Board_2-Net-(U1-XC2): 2U1.A2 2Y2.4
Board_2-Net-(U3-V_{REG_OUT}): 2C15.1 2U3.9
Board_2-unconnected-(AE1-FEED-Pad1): 2AE1.1
Board_2-unconnected-(J1-SWO-Pad6): 2J1.6
Board_2-unconnected-(U1-P0.02-PadE2): 2U1.E2
Board_2-unconnected-(U1-P0.04-PadD3): 2U1.D3
Board_2-unconnected-(U1-P1.03-PadD5): 2U1.D5
Board_2-unconnected-(U1-P1.05-PadE6): 2U1.E6
Board_2-unconnected-(U1-P1.11-PadC4): 2U1.C4
Board_2-unconnected-(U1-P1.13-PadB4): 2U1.B4
Board_2-unconnected-(U1-P1.14-PadB5): 2U1.B5
Board_2-unconnected-(U1-P2.00-PadG6): 2U1.G6
Board_2-unconnected-(U1-P2.01-PadG7): 2U1.G7
Board_2-unconnected-(U1-P2.02-PadF6): 2U1.F6
Board_2-unconnected-(U1-P2.03-PadE5): 2U1.E5
Board_2-unconnected-(U1-P2.04-PadF5): 2U1.F5
Board_2-unconnected-(U1-P2.05-PadG5): 2U1.G5
Board_2-unconnected-(U1-P2.06-PadF4): 2U1.F4
Board_2-unconnected-(U1-P2.07-PadE4): 2U1.E4
Board_2-unconnected-(U1-P2.08-PadD4): 2U1.D4
Board_2-unconnected-(U1-P2.09-PadF3): 2U1.F3
Board_2-unconnected-(U1-P2.10-PadG2): 2U1.G2
Board_2-unconnected-(U2-NC-Pad6): 2U2.6
Board_2-unconnected-(U3-ADC_IN-Pad8): 2U3.8
Board_2-VDD: 2C3.1 2C8.1 2C10.1 2C11.1 2D1.2 2J1.1 2JP1.2 2R2.1 2R3.1 2U1.B7 2U1.G3 2U2.4
Board_3-/BUTTON0: 3SW1.1 3U1.C7
Board_3-/INT1: 3U1.G1 3U3.5
Board_3-/INT2: 3U1.D7 3U3.6
Board_3-/LED: 3Q1.1 3R4.1 3U1.B3
Board_3-/LFCLK1: 3U1.B6 3U1.C6 3Y1.1
Board_3-/LSW: 3U1.C3 3U2.3
Board_3-/PDM_CLK: 3MK1.3 3U1.E1
Board_3-/PDM_DATA: 3MK1.4 3U1.F1
Board_3-/SCL: 3R3.2 3U1.F7 3U3.4
Board_3-/SDA: 3R2.2 3U1.D6 3U3.2
Board_3-/UART_RX: 3TP2.1 3U1.A3
Board_3-/UART_TX: 3TP1.1 3U1.E7
Board_3-GND: 3BT1.2 3C1.2 3C2.2 3C3.2 3C4.2 3C5.2 3C6.2 3C8.2 3C9.2 3C10.2 3C11.2 3C12.2 3C15.2 3C16.2 3C17.2 3C20.2 3J1.5 3L18.2 3MK1.2 3MK1.5 3Q1.2 3R4.2 3SW1.2 3U1.A6 3U1.C2 3U1.G4 3U2.2 3U2.5 3U3.1 3U3.3 3U3.7 3U3.11 3Y2.2 3Y2.3
Board_3-Net-(AE1-PCB_Trace): 3AE1.2 3L7.2
Board_3-Net-(BT1-+): 3BT1.1 3JP1.1
Board_3-Net-(C6-Pad1): 3C6.1 3L2.2 3L3.1
Board_3-Net-(C9-Pad1): 3C9.1 3L3.2 3L4.1
Board_3-Net-(D1-K): 3D1.1 3R1.1
Board_3-Net-(J1-SWCLK): 3J1.4 3U1.E3
Board_3-Net-(J1-SWDIO): 3J1.2 3U1.F2
Board_3-Net-(J1-~{RESET}): 3J1.3 3U1.D2
Board_3-Net-(JP2-A): 3C16.1 3JP2.1 3U3.12
Board_3-Net-(JP3-A): 3C17.1 3JP3.1 3U3.10
Board_3-Net-(L4-Pad2): 3L4.2 3L6.1
Board_3-Net-(L18-Pad1): 3L6.2 3L7.1 3L18.1
Board_3-Net-(Q1-D): 3Q1.3 3R1.2
Board_3-Net-(U1-ANT): 3L2.1 3U1.D1
Board_3-Net-(U1-DCC): 3L1.2 3U1.A7
Board_3-Net-(U1-DECA): 3C2.1 3C5.1 3C12.1 3FB1.1 3U1.A4 3U1.B1
Board_3-Net-(U1-DECD): 3C1.1 3FB1.2 3L1.1 3U1.A5
Board_3-Net-(U1-P1.00): 3U1.C5 3Y1.2
Board_3-Net-(U1-XC1): 3U1.A1 3Y2.1
Board_3-Net-(U1-XC2): 3U1.A2 3Y2.4
Board_3-Net-(U3-V_{REG_OUT}): 3C15.1 3U3.9
Board_3-unconnected-(AE1-FEED-Pad1): 3AE1.1
Board_3-unconnected-(J1-SWO-Pad6): 3J1.6
Board_3-unconnected-(U1-P0.02-PadE2): 3U1.E2
Board_3-unconnected-(U1-P0.04-PadD3): 3U1.D3
Board_3-unconnected-(U1-P1.03-PadD5): 3U1.D5
Board_3-unconnected-(U1-P1.05-PadE6): 3U1.E6
Board_3-unconnected-(U1-P1.11-PadC4): 3U1.C4
Board_3-unconnected-(U1-P1.13-PadB4): 3U1.B4
Board_3-unconnected-(U1-P1.14-PadB5): 3U1.B5
Board_3-unconnected-(U1-P2.00-PadG6): 3U1.G6
Board_3-unconnected-(U1-P2.01-PadG7): 3U1.G7
Board_3-unconnected-(U1-P2.02-PadF6): 3U1.F6
Board_3-unconnected-(U1-P2.03-PadE5): 3U1.E5
Board_3-unconnected-(U1-P2.04-PadF5): 3U1.F5
Board_3-unconnected-(U1-P2.05-PadG5): 3U1.G5
Board_3-unconnected-(U1-P2.06-PadF4): 3U1.F4
Board_3-unconnected-(U1-P2.07-PadE4): 3U1.E4
Board_3-unconnected-(U1-P2.08-PadD4): 3U1.D4
Board_3-unconnected-(U1-P2.09-PadF3): 3U1.F3
Board_3-unconnected-(U1-P2.10-PadG2): 3U1.G2
Board_3-unconnected-(U2-NC-Pad6): 3U2.6
Board_3-unconnected-(U3-ADC_IN-Pad8): 3U3.8
Board_3-VDD: 3C3.1 3C8.1 3C10.1 3C11.1 3D1.2 3J1.1 3JP1.2 3R2.1 3R3.1 3U1.B7 3U1.G3 3U2.4
Board_4-/BUTTON0: 4SW1.1 4U1.C7
Board_4-/INT1: 4U1.G1 4U3.5
Board_4-/INT2: 4U1.D7 4U3.6
Board_4-/LED: 4Q1.1 4R4.1 4U1.B3
Board_4-/LFCLK1: 4U1.B6 4U1.C6 4Y1.1
Board_4-/LSW: 4U1.C3 4U2.3
Board_4-/PDM_CLK: 4MK1.3 4U1.E1
Board_4-/PDM_DATA: 4MK1.4 4U1.F1
Board_4-/SCL: 4R3.2 4U1.F7 4U3.4
Board_4-/SDA: 4R2.2 4U1.D6 4U3.2
Board_4-/UART_RX: 4TP2.1 4U1.A3
Board_4-/UART_TX: 4TP1.1 4U1.E7
